# Altium PCB RFC_MB.PcbDoc (part 34 of 37)
Units mm, origin at the board's own origin, x right, y up, seen from the top; angles counter-clockwise.
Board outline 440 x 340 mm, 6 copper layers (TopLayer, PlaneGnd, PlanePwr, MidLayer3, MidLayer4, BottomLayer); 1264 components, 1336 nets, 5034 pads, 876 vias.
Unrouted connection lines stored in the file: 2433.
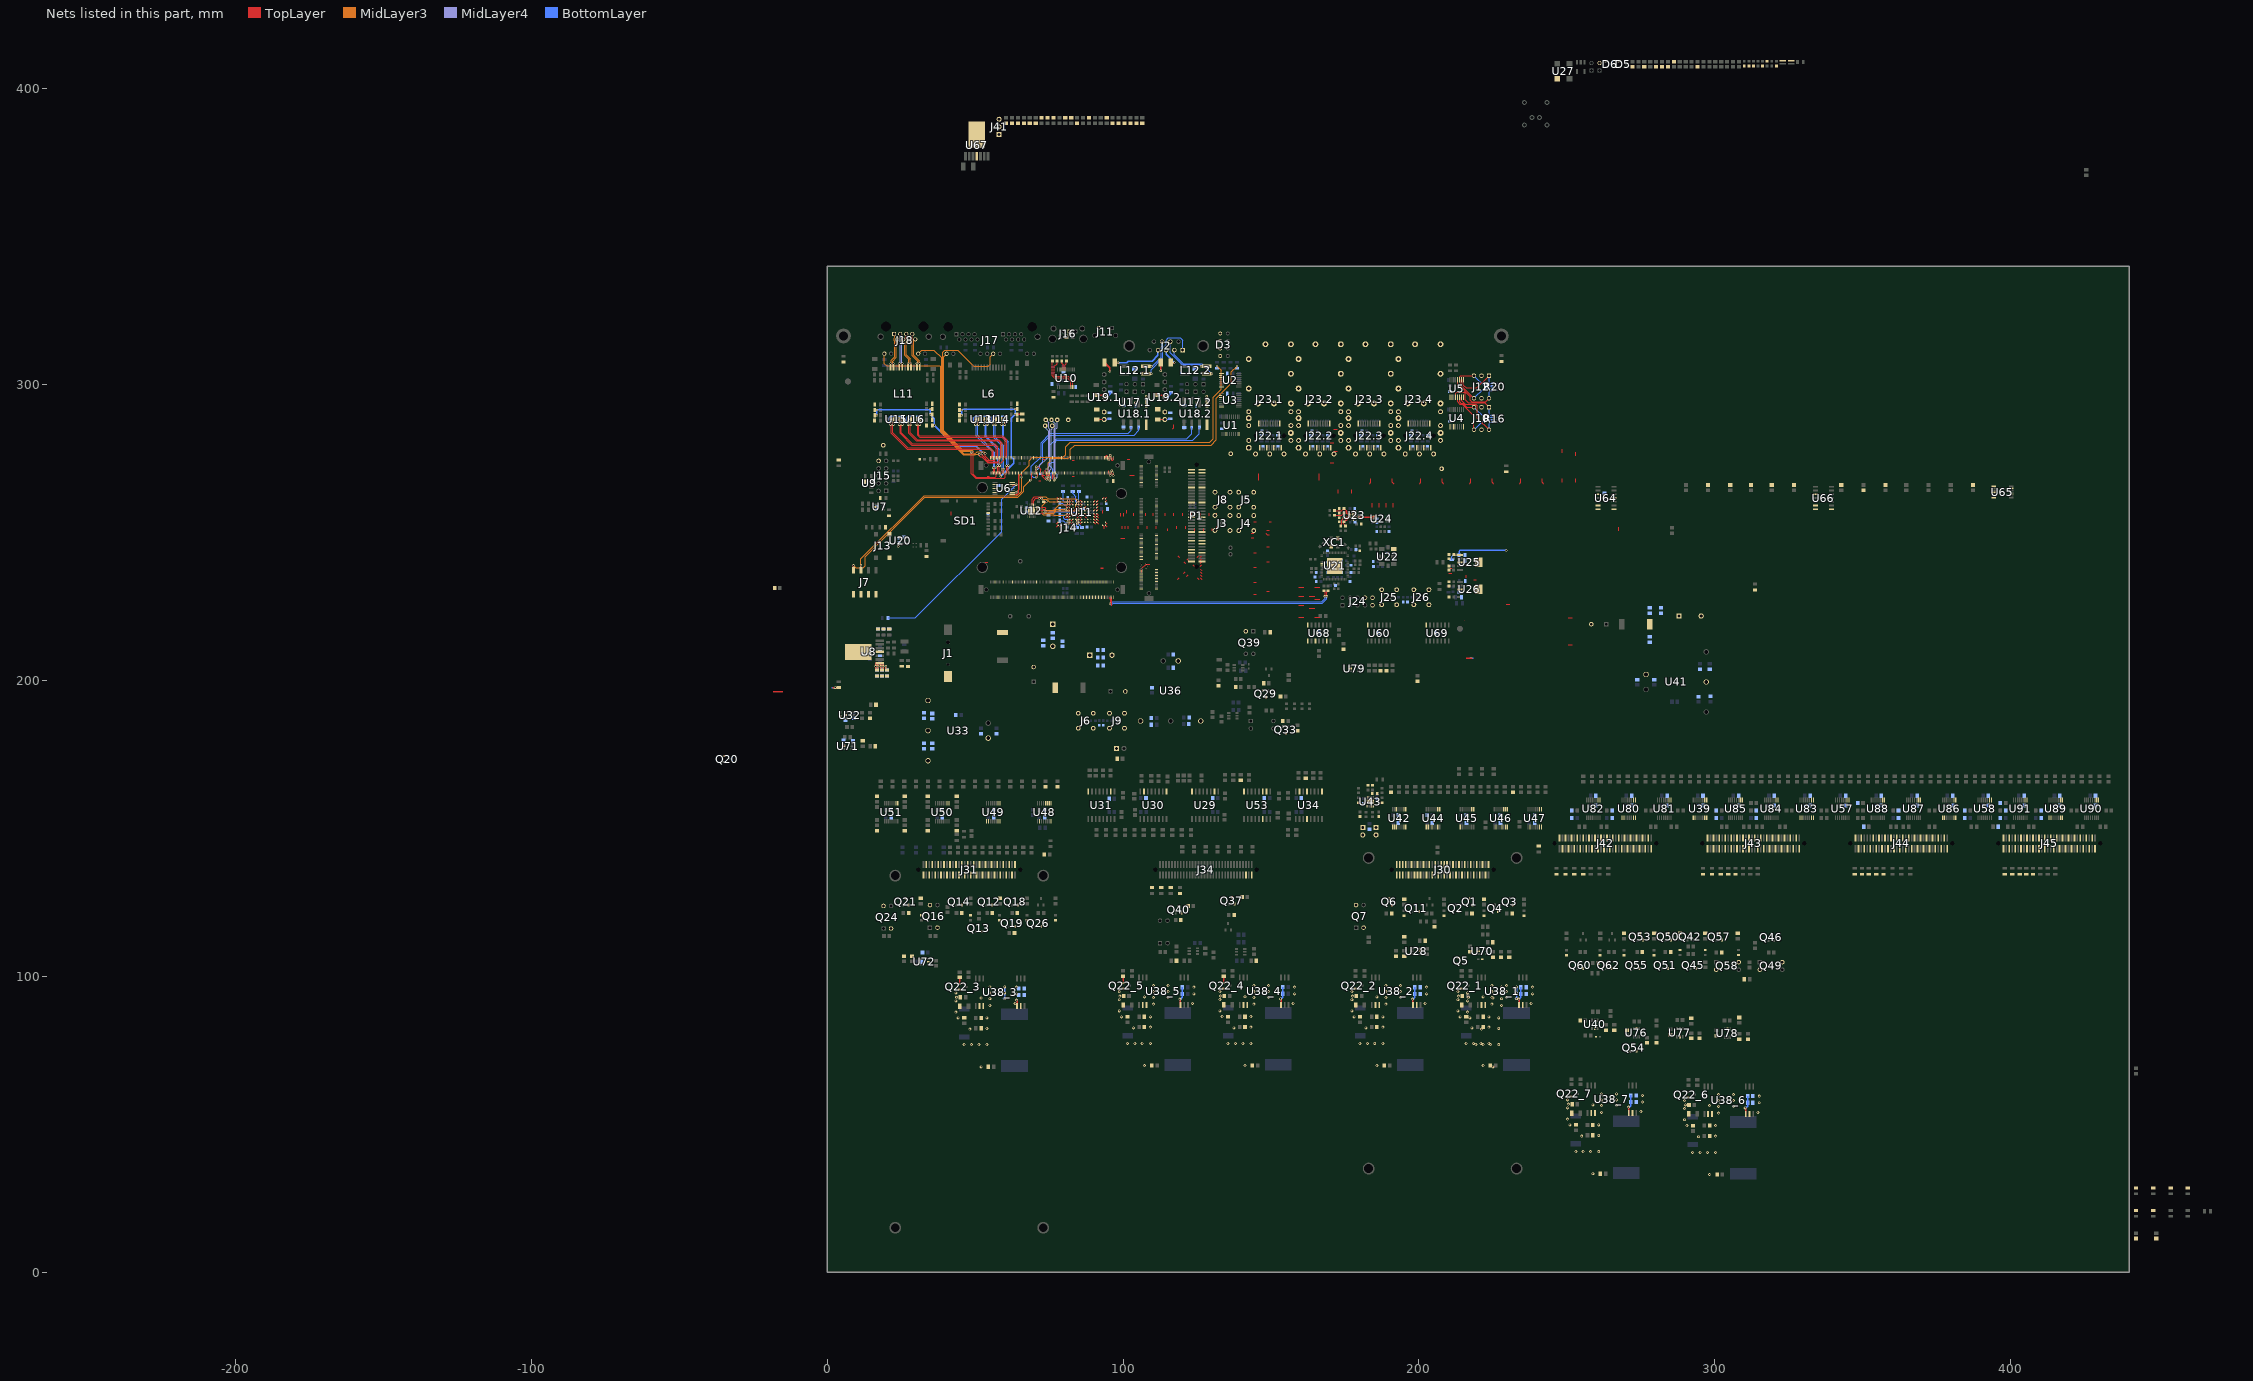
[diagram p38: the nets of this part, all layers, seen from the top]

## Via types
v1: diameter 0.8, hole 0.4, TopLayer to BottomLayer, 488 vias
v2: diameter 1, hole 0.5, TopLayer to BottomLayer, 251 vias
v3: diameter 0.5, hole 0.2, TopLayer to BottomLayer, tented both sides, 137 vias

## Nets (pads, with @x,y where several pads share a name; then routed paths per layer and width w, separated by ;. In a path a pad name is that pad's centre, name@x,y a point inside that pad or via, vN(x,y) a via of type N, cw(c..) or ccw(c..) an arc to the next point about the centre after c; other vN are vias at no path point) (continued)
+5VME: C17.1 C18.1 C22.2 C23.2 C24.2 C25.2 C69.1.2 C69.2.2 C70.1.2 C70.2.2 C117.2 C118.2 J14.A1 J14.A2 J14.A3 J14.A4 J14.A5 J14.A6 J14.A7 J14.A8 J14.A9 J14.A11 R104.2 U8.1 U19.1.1 U19.2.1 U25.1 | length 58
  TopLayer w0.2: J14.A9@94.675,275.25 94.675,276.05 ; J14.A8@95.175,270.05 95.175,270.85 ; v1(95.175,274.45) J14.A7@95.175,275.25 ; v1(95.675,269.25) J14.A6@95.675,270.05 ; J14.A5@95.675,275.25 v1(95.675,276.05) ; J14.A4@96.175,270.05 v1(96.175,270.85) ; 96.175,274.45 J14.A3@96.175,275.25 ; v1(96.675,269.25) J14.A2@96.675,270.05
  TopLayer w0.25: J14.A11@94.175,275.25 94.175,275.775 94.45,276.05 94.675,276.05 ; 96.175,274.45 96.525,274.45 96.675,274.6 J14.A1@96.675,275.25
  TopLayer w0.3: C70.1.2@91.15,288.175 93.584,288.175 U19.1.1@93.624,288.135 ; C70.2.2@111.675,288.2 114.034,288.2 U19.2.1@114.099,288.135 ; C118.2@211.725,242.525 212.507,242.525 v1(212.507,242.423) ; v1@212.522,242.408 v1(212.507,242.423) ; U25.1@213.875,242.423 v1(212.507,242.423)
  TopLayer w0.5: C17.1@16.41,203.485 v1(16.41,204.71) 16.41,205.585 U8.1@16.61,205.785 ; C17.1@17.16,203.485 v1(17.16,204.71) U8.1@17.16,205.585 ; C18.1@18.135,203.485 v1(18.135,204.71) U8.1@18.135,205.66 ; C18.1@18.885,203.485 v1(18.885,204.71) U8.1@18.885,205.685 ; C25.2@19.86,203.485 v1(19.86,204.71)
  BottomLayer w0.25: R104.2@211.05,240.725 211.05,241.825 211.648,242.423 v1(212.507,242.423)
  BottomLayer w0.3: U19.1.1@93.624,288.135 94.435,288.135 94.725,288.425 C69.1.2@95.45,288.425 ; U19.2.1@114.099,288.135 114.91,288.135 115.2,288.425 C69.2.2@115.925,288.425 ; v1@212.522,242.408 C117.2@213.525,242.408
  BottomLayer w0.5: v1(16.41,204.71) 16.41,203.885 C24.2@16.81,203.485 17.16,203.835 v1(17.16,204.71) ; v1(18.135,204.71) 18.135,203.885 C22.2@18.535,203.485 18.885,203.835 v1(18.885,204.71) ; v1(19.86,204.71) 19.86,203.885 C23.2@20.26,203.485 ; C117.2@213.525,242.408 213.525,243.6 213.825,243.9 v1(229.5,243.9)
+5VSTBY: C71.2 U20.4 | length 2.3
  TopLayer w0.25: v1(24,245.225) U20.4@24,246.125
  BottomLayer w0.25: v1(24,245.225) 24,245.6 24.3,245.9 C71.2@24.3,246.55
+7_: C209_6.2 C215_6.2 R229.2 U38_6.13
+7D: C209_1.2 C215_1.2 Q1.2 R147.2 R152.1 U38_1.13
+7DDS: L24.2 Q1.3 R146.2
+7H: C209_4.1 C215_4.1 R218.2 U38_4.12 | length 6.5
  TopLayer w0.5: v2(153.199,92.323) 153.369,92.153 U38_4.12@153.369,90.323
  BottomLayer w0.5: v2(153.199,92.323) 153.449,92.323 153.999,92.873 C209_4.1@153.999,94.069 C215_4.1@153.999,96.323
+7i: Q37.2 R219.2
+7int: L37.2 Q37.3 R217.2
+7SL: L71.2 L79.2 L88.2 L96.2 Q53.3 R251.2
+7V: Q53.2 R252.2
+12Hall: L28.2
+12SL: L69.2 L77.2 L86.2 L94.1 Q50.3 R244.2
+12V: C157.1 C159.2 C160.2 C164.2 C169.2 C170.2 C200.1 C218.2 C222.2 C226.2 C227.1 C438.2 L18.1 L32.1 L191.1 Q3.2 Q18.2 Q50.2 R162.2 R179.2 R245.2
+18H: C156.2 C166.2 C174.1 Q12.2 R167.2 R172.2 U33.3
+18Hall: L34.2 Q12.3 R166.2
+18i: C168.2 C182.2 C199.1 Q29.2 R198.2 R200.2 R201.2 U36.3
+18int: L39.2 Q29.3 R199.2
+18SL: L73.2 L82.2 L90.2 L98.2 Q46.3 R236.2
-7_: C209_7.1 C215_7.1 Q57.2 R247.1 R259.2 U38_7.12 | length 6.5
  TopLayer w0.5: v2(270.75,55.75) 270.92,55.58 U38_7.12@270.92,53.75
  BottomLayer w0.5: v2(270.75,55.75) 271,55.75 271.55,56.3 C209_7.1@271.55,57.496 C215_7.1@271.55,59.75
-7D: C209_2.1 C215_2.1 Q6.2 R149.1 R157.2 U38_2.12 | length 6.5
  TopLayer w0.5: v2(197.8,92.3) 197.97,92.13 U38_2.12@197.97,90.3
  BottomLayer w0.5: v2(197.8,92.3) 198.05,92.3 198.6,92.85 C209_2.1@198.6,94.046 C215_2.1@198.6,96.3
-7DDS: L23.2 Q6.3 R156.2
-7H: C209_3.1 C215_3.1 Q21.2 R186.2 R187.1 U38_3.12 | length 2.3
  TopLayer w0.5: v2(64,91.9) 64.17,91.73 U38_3.12@64.17,89.9
  BottomLayer w0.5: v2(64,91.9) v2@64.25,91.9
  other v2: 63.5,90.8 64,94.05 64,96.3
-7Hall: L30.2 Q21.3 R185.2
-7i: C209_5.1 C215_5.1 Q40.2 R224.2 R225.2 U38_5.12 | length 6.5
  TopLayer w0.5: v2(119.2,92.3) 119.37,92.13 U38_5.12@119.37,90.3
  BottomLayer w0.5: v2(119.2,92.3) 119.45,92.3 120,92.85 C209_5.1@120,94.046 C215_5.1@120,96.3
-7int: L35.2 Q40.3 R222.2
-7SL: L70.2 L78.2 L87.2 L95.2 Q57.3 R258.2
-18H: C171.1 C178.2 Q14.2 R170.2 R176.1 U33.5
-18Hall: L33.2
-18i: C191.1 C202.2 Q33.2 R210.2 R223.1 U36.5
-18int: L38.2 Q33.3 R208.2
-18SL: L72.2 L81.2 L89.2 L97.2 Q42.3 R228.2
\CS: R265.1 U42.14
\CSdds: J30.15 U44.4
\En: Q5.1 Q20.1 Q54.1 R221.1 U68.8 U68.13
AQ1_N: C89.1 R118.2 U23.9 | length 6.7
  TopLayer w0.15: C89.1@171.425,257.375 171.425,257.325 173.925,257.325 R118.2@174.65,258.05 174.725,257.975 174.725,257.95 175.2,257.475 175.485,257.475 175.825,257.135 175.825,256.563 176,256.388 176.087,256.388 176.175,256.475 U23.9@176.7,256.475
AQ1_P: C88.1 R117.2 U23.10 | length 6.7
  TopLayer w0.15: C88.1@171.425,255.825 171.425,255.875 173.925,255.875 R117.2@174.65,256.6 175.2,257.15 175.35,257.15 175.5,257 175.5,256.428 175.865,256.062 176.087,256.062 176.175,255.975 U23.10@176.7,255.975
BaseAddr0: J10.1 R16.4 U5.4 | length 19.6
  TopLayer w0.15: U5.4@212.4,295.705 212.4,297.05 212.65,297.3 215.25,297.3 215.6,296.95 215.6,294.85 216.622,293.828 222.157,293.828 J10.1@223.665,292.32
  BottomLayer w0.25: J10.1@223.665,292.32 223.665,292.295 223.665,289.91 223.9,289.675 R16.4@224.725,289.675
BaseAddr1: J10.2 R16.2 U5.5 | length 21.4
  TopLayer w0.15: U5.5@213.05,295.705 213.05,294.1 213.775,293.375 214.672,293.375 218.585,289.462 J10.2@218.585,284.7
  BottomLayer w0.25: J10.2@218.585,284.7 218.598,284.687 221.985,288.075 R16.2@224.725,288.075
BaseAddr2: J10.4 R16.3 U5.6 | length 14.8
  TopLayer w0.15: U5.6@213.7,295.705 213.7,294.125 214.1,293.725 214.775,293.725 216.18,292.32 J10.4@218.585,292.32
  BottomLayer w0.25: J10.4@218.585,292.32 218.585,292.295 222.005,288.875 R16.3@224.725,288.875
BaseAddr3: J10.8 R16.1 U5.7 | length 20.4
  TopLayer w0.15: U5.7@214.35,295.705 214.35,294.625 215.65,293.325 219.125,293.325 219.725,292.725 219.725,288.64 J10.8@223.665,284.7
  BottomLayer w0.25: J10.8@223.665,284.7 223.665,284.675 223.665,286.94 224,287.275 R16.1@224.725,287.275
BaseAddr4: J12.1 R20.4 U5.9 | length 16.1
  TopLayer w0.15: U5.9@215,301.545 215,299.775 215.925,298.85 219.545,298.85 J12.1@223.665,302.97
  BottomLayer w0.25: J12.1@223.665,302.97 223.665,300.585 223.9,300.35 R20.4@224.725,300.35
BaseAddr5: J12.2 R20.2 U5.10 | length 15.5
  TopLayer w0.15: U5.10@214.35,301.545 214.35,299.585 J12.2@218.585,295.35
  BottomLayer w0.25: J12.2@218.585,295.35 221.985,298.75 R20.2@224.725,298.75
BaseAddr6: J12.4 R20.3 U5.11 | length 13.6
  TopLayer w0.15: U5.11@213.7,301.545 213.7,302.6 214.07,302.97 J12.4@218.585,302.97
  BottomLayer w0.25: J12.4@218.585,302.97 222.005,299.55 R20.3@224.725,299.55
BaseAddr7: J12.8 R20.1 U5.12 | length 19.1
  TopLayer w0.15: U5.12@213.05,301.545 213.05,300.2 217.4,295.85 217.4,294.625 217.825,294.2 222.515,294.2 J12.8@223.665,295.35
  BottomLayer w0.25: J12.8@223.665,295.35 223.665,297.615 224,297.95 R20.1@224.725,297.95
BOOT_MODE0: J7.7 J14.A126 | length 73.7
  TopLayer w0.15: v1(65.675,268.675) J14.A126@65.675,270.05
  TopLayer w0.25: J7.7@11.41,237.275 v1(11.41,238.845)
  MidLayer3 w0.15: v1(11.41,238.845) 11.41,241.064 32.771,262.425 57.855,262.425 57.885,262.395 64.145,262.395 65.675,263.925 v1(65.675,268.675)
BOOT_MODE1: J7.8 J14.A112 | length 79.3
  TopLayer w0.15: v1(68.675,267.675) 69.175,268.175 J14.A112@69.175,270.05
  TopLayer w0.25: J7.8@8.87,237.275 v1(8.87,238.845)
  MidLayer3 w0.15: v1(8.87,238.845) 9.715,238 12.125,238 12.825,238.7 12.825,241.807 32.968,261.95 64.45,261.95 66.45,263.95 66.45,265.45 v1(68.675,267.675)
BUSY: R332.1 U48.12
BUSY_i2Host: R421.2 U34.13
BUSYi: J34.6 U34.4
C_REF_N: J30.2 U43.10
C_REF_P: J30.6 U43.11
C_TEST_N: C147.2 J33.1
C_TEST_P: C146.2 J32.1
CAN0_G: J2.3 L13.2.1 | length 6.3
  TopLayer w0.3: L13.2.1@116.125,307.4 v1(117.325,307.4)
  BottomLayer w0.5: J2.3@114.565,311.32 114.565,310.16 v1(117.325,307.4)
CAN0_H: J2.7 L12.2.1 | length 17.6
  TopLayer w0.5: v1(126.375,306.125) 128.175,306.125 L12.2.1@128.2,306.125
  BottomLayer w0.3: J2.7@115.95,314.16 115.95,310.693 120.068,306.575 125.925,306.575 v1(126.375,306.125)
CAN0_L: J2.2 L12.2.4 | length 18.4
  TopLayer w0.5: L12.2.4@128.2,303.625 v1(130,303.625)
  BottomLayer w0.3: J2.2@117.335,311.32 117.335,310.015 120.275,307.075 126.55,307.075 v1(130,303.625)
CAN0_RX: J14.A88 R95.2.2 | length 64.2
  TopLayer w0.15: v1(75.175,268.675) J14.A88@75.175,270.05
  BottomLayer w0.25: v1(75.175,268.675) 75.175,269.975 74.85,270.3 74.85,273.625 75.45,274.225 75.45,279.612 77.513,281.675 121.525,281.675 123.175,283.325 R95.2.2@123.175,285.55
CAN0_TX: J14.A90 R97.2.2 | length 69.5
  TopLayer w0.15: J14.A90@74.675,270.05 74.675,268.175 v1(75.175,267.675)
  BottomLayer w0.25: v1(75.175,267.675) 75.775,268.275 75.775,269.975 76.3,270.5 76.3,271.425 75.375,272.35 75.375,273.175 75.925,273.725 76.6,273.725 76.925,274.05 76.925,280.375 77.625,281.075 123.525,281.075 125.775,283.325 R97.2.2@125.775,285.6
CAN1_G: J2.4 L13.1.1 | length 17.1
  TopLayer w0.3: L13.1.1@97.175,307.35 v1(98.325,307.35)
  BottomLayer w0.5: v1(98.325,307.35) 101.275,307.35 101.825,307.9 109.775,307.9 111.795,309.92 J2.4@111.795,311.32
CAN1_H: J2.8 L12.1.1 | length 11.8
  TopLayer w0.5: L12.1.1@107.725,306.125 v1(109.525,306.125)
  BottomLayer w0.3: v1(109.525,306.125) 109.9,306.125 112.95,309.175 112.95,312.725 113.18,312.955 J2.8@113.18,314.44
CAN1_L: J2.1 L12.1.4 | length 24.8
  TopLayer w0.5: L12.1.4@107.725,303.625 v1(109.525,303.625)
  BottomLayer w0.3: v1(109.525,303.625) 109.525,305.043 113.45,308.968 113.45,312.325 114.525,313.4 114.525,314.925 115.325,315.725 119.375,315.725 120.105,314.995 J2.1@120.105,311.6
CAN1_RX: J14.A104 R95.1.2 | length 49.1
  TopLayer w0.15: v1(70.675,268.675) 71.175,269.175 J14.A104@71.175,270.05
  BottomLayer w0.25: v1(70.675,268.675) 69.65,268.675 69,269.325 69,272.275 72.325,275.6 72.325,280.367 75.383,283.425 101.675,283.425 102.7,284.45 R95.1.2@102.7,285.55
CAN1_TX: J14.A106 R97.1.2 | length 46.7
  TopLayer w0.15: J14.A106@70.675,270.05 v1(70.675,271.4)
  BottomLayer w0.25: v1(70.675,271.4) 71.2,271.4 71.775,271.975 71.775,272.825 72.9,273.95 72.9,280.2 75.6,282.9 103.7,282.9 105.3,284.5 R97.1.2@105.3,285.6
CAN_GND_1: C64.1.1 C65.1.1 C67.1.1 C68.1.1 L13.1.2 U17.1.3 U18.1.5 U19.1.4 | length 15.3
  TopLayer w0.3: U18.1.5@107.825,293.95 U18.1.5@107.825,293.975 107.825,295.975 v1(107.825,296.025)
  TopLayer w0.5: C68.1.1@90.95,296.425 92.954,296.425 U19.1.4@93.624,295.755 ; L13.1.2@93.775,307.35 95.55,305.575 v1(95.55,304.375)
  BottomLayer w0.3: v1(98.9,293) C67.1.1@100.2,293 ; v1(103.95,304.25) C64.1.1@103.95,305.325 ; U17.1.3@104.15,292.725 v1(104.15,293.85)
  BottomLayer w0.5: U19.1.4@93.624,295.755 94.555,295.755 95.65,296.85 C65.1.1@95.65,297.4
CAN_GND_2: C64.2.1 C65.2.1 C67.2.1 C68.2.1 L13.2.2 U17.2.3 U18.2.5 U19.2.4 | length 14.5
  TopLayer w0.3: U18.2.5@128.3,293.95 U18.2.5@128.3,293.975 128.3,295.975 v1(128.3,296.025)
  TopLayer w0.5: C68.2.1@111.45,296.45 111.425,296.425 111.45,296.425 113.429,296.425 U19.2.4@114.099,295.755 ; v1(112.725,304.6) L13.2.2@112.725,307.4
  BottomLayer w0.3: v1(119.375,293) C67.2.1@120.675,293 ; v1(124.425,304.25) C64.2.1@124.425,305.325 ; U17.2.3@124.625,292.725 v1(124.625,293.85)
  BottomLayer w0.5: U19.2.4@114.099,295.755 115.03,295.755 116.125,296.85 116.125,297.4 C65.2.1@116.2,297.375
ChasisGND: R26.2 | length 3.4
  TopLayer w0.5: 1.8,197.55 v1(2.725,197.55) R26.2@3.925,197.55
  BottomLayer w0.5: 1.475,197.55 v1(2.725,197.55)
ChasisGND_T: R27.2 | length 3.4
  TopLayer w0.5: 215.925,207.55 218.05,207.55
  BottomLayer w0.5: 217.1,207.55 218.35,207.55
CLK_MODE: R299.1 U46.11
CLK_MODE_dds: J30.3 U42.3
Clock_dDCP+: U64.8
Clock_dDCP-: U64.11
Clock_hDCP-: Q22_3.1 R233_3.2 U66.3 | length 2.3
  TopLayer w0.5: Q22_3.1@44.7,97.35 44.8,97.45 R233_3.2@44.8,99.604
Clock_iDCP+: Q22_4.1 R233_4.2 U64.3 | length 2.3
  TopLayer w0.5: Q22_4.1@133.899,97.773 133.999,97.873 R233_4.2@133.999,100.027
Clock_iDCP-: Q22_5.1 R233_5.2 U64.6 | length 2.3
  TopLayer w0.5: Q22_5.1@99.9,97.75 100,97.85 R233_5.2@100,100.004
Clock_sDCP+: U66.6
Clock_sDCP-: U66.8
CMP_CLK_N: U23.2 U24.5 | length 5.6
  TopLayer w0.15: U23.2@179.6,255.475 180.125,255.475 180.237,255.363 184.113,255.363 184.275,255.525 U24.5@185.1,255.525
CMP_CLK_P: U23.1 U24.6 | length 5.6
  TopLayer w0.15: U23.1@179.6,254.975 180.125,254.975 180.188,255.038 184.113,255.038 184.275,254.875 U24.6@185.1,254.875
CNV: R331.1 U48.11
CNV_Host2i: R422.2 U53.3
CNVi: J34.2 U53.14
COM_CTS_DEV_O: R59.1 U10.8 | length 13.9
  TopLayer w0.25: R59.1@76.11,307.903 76.11,302.91 76.76,302.26 81.135,302.26 82.335,301.06 U10.8@82.335,299.16
COM_RTS_DEV_I: R58.1 U10.9 | length 14.3
  TopLayer w0.25: R58.1@77.685,307.903 77.685,307.06 76.73,306.105 76.73,302.993 76.993,302.73 81.393,302.73 82.985,301.138 U10.9@82.985,299.16
COM_RX_DEV_O: R54.1 U10.17 | length 3
  TopLayer w0.25: R54.1@79.26,307.903 79.26,307.11 79.735,306.635 U10.17@79.735,305.06
COM_TX_DEV_I: R52.1 U10.16 | length 3
  TopLayer w0.25: U10.16@80.385,305.06 80.385,306.61 80.835,307.06 R52.1@80.835,307.903
DCP_Clk: R148.2 R255.2 R387.2 R388.2 R389.2 R390.2 R391.2 U68.10
DDS_CLK_N: C145.1 R174.1 U21.23
DDS_CLK_P: C144.1 R174.2 U21.24
EMMC_CLK: R72.2 U11.P6 | length 14.4
  TopLayer w0.15: R72.2@73.05,260.375 v1(74.1,260.375) ; v1(80.55,255.875) U11.P6@81.05,256.375
  MidLayer3 w0.15: v1(74.1,260.375) 72.725,259 72.725,256.25 72.995,255.98 76.395,255.98 76.5,255.875 v1(80.55,255.875)
EMMC_CMD: R60.2 U11.P5 U12.12 | length 13.8
  TopLayer w0.15: U12.12@71.025,258.55 73.525,258.55 73.9,258.175 v1(73.9,257.05) ; v1(80.55,257.875) U11.P5@81.05,257.375
  MidLayer3 w0.15: v1(73.9,257.05) 76.575,257.05 77.4,257.875 v1(80.55,257.875)
  BottomLayer w0.15: R60.2@78.6,257.925 80.5,257.925 v1(80.55,257.875)
EMMC_D0: R61.2 U11.K2 U12.14 | length 21.1
  TopLayer w0.15: U12.14@69.775,259.3 69.775,260.725 70.525,261.475 v1(71.675,261.475) ; v1(84.55,260.875) U11.K2@85.05,260.375
  MidLayer3 w0.15: v1(71.675,261.475) 72.325,262.125 73.925,262.125 74.675,261.375 84.05,261.375 v1(84.55,260.875)
  BottomLayer w0.15: v1(84.55,260.875) 85.05,261.375 R61.2@85.05,263.775
EMMC_D1: R62.2 U11.N2 U12.15 | length 21.3
  TopLayer w0.15: U12.15@69.275,259.3 69.275,261.225 70.05,262 72.025,262 v1(72.5,261.525) ; v1(81.55,260.875) U11.N2@82.05,260.375
  MidLayer3 w0.15: v1(72.5,261.525) 72.9,261.125 74.275,261.125 75.025,260.375 81.05,260.375 v1(81.55,260.875)
  BottomLayer w0.15: R62.2@79.75,263.775 79.75,260.7 80.075,260.375 81.05,260.375 v1(81.55,260.875)
EMMC_D2: R63.2 U11.K3 U12.8 | length 21.2
  TopLayer w0.15: U12.8@71.025,256.55 v1(73.275,256.55) ; v1(84.55,259.875) U11.K3@85.05,259.375
  MidLayer3 w0.15: v1(73.275,256.55) 76.625,256.55 77.45,257.375 83.875,257.375 84.062,257.562 84.062,257.662 84.055,257.67 84.055,259.38 v1(84.55,259.875)
  BottomLayer w0.15: R63.2@83,263.775 83,263.175 84.045,262.13 84.045,260.38 v1(84.55,259.875)
EMMC_D3: R64.2 U11.N3 U12.10 | length 15.6
  TopLayer w0.15: U12.10@71.025,257.55 v1(73.275,257.55) ; v1(81.55,259.875) U11.N3@82.05,259.375
  MidLayer3 w0.15: v1(73.275,257.55) 76.55,257.55 78.375,259.375 81.05,259.375 v1(81.55,259.875)
  BottomLayer w0.15: R64.2@78.6,259.925 79.4,259.925 79.945,259.38 81.055,259.38 v1(81.55,259.875)
EMMC_D4: R65.2 U11.K8 | length 3.6
  TopLayer w0.15: v1(84.55,253.875) U11.K8@85.05,254.375
  BottomLayer w0.15: v1(84.55,253.875) 85.05,253.375 85.05,252.675 86.05,251.675 R65.2@86.125,251.675
EMMC_D5: R66.2 U11.N8 | length 5
  TopLayer w0.15: v1(81.55,253.875) U11.N8@82.05,254.375
  BottomLayer w0.15: R66.2@78.6,255.925 79.6,255.925 79.9,255.625 79.9,254.825 80.345,254.38 81.045,254.38 v1(81.55,253.875)
EMMC_D6: R67.2 U11.N9 | length 4.1
  TopLayer w0.15: v1(81.55,252.875) U11.N9@82.05,253.375
  BottomLayer w0.15: R67.2@78.6,253.925 79.775,253.925 80.325,253.375 81.05,253.375 v1(81.55,252.875)
EMMC_D7: R68.2 U11.K9 | length 2
  TopLayer w0.15: v1(84.55,252.875) U11.K9@85.05,253.375
  BottomLayer w0.15: R68.2@84.325,251.675 84.325,252.65 v1(84.55,252.875)
EMMC_DS: R69.2 U11.K5 | length 11.9
  TopLayer w0.15: v1(84.55,257.875) U11.K5@85.05,257.375
  BottomLayer w0.15: R69.2@74.75,255.875 74.75,256.475 75.225,256.95 83.925,256.95 84.55,257.575 v1(84.55,257.875)
EMMC_RFU1: U11.A1 | length 0.7
  TopLayer w0.15: U11.A1@94.05,261.375 94.55,261.875
EMMC_RFU2: U11.A2 | length 0.7
  TopLayer w0.15: U11.A2@94.05,260.375 94.55,260.875
EMMC_RFU3: U11.A9 | length 0.7
  TopLayer w0.15: U11.A9@94.05,253.375 94.55,252.875
EMMC_RFU4: U11.A10 | length 0.7
  TopLayer w0.15: U11.A10@94.05,252.375 94.55,251.875
EMMC_RFU5: U11.B1 | length 0.7
  TopLayer w0.15: U11.B1@93.05,261.375 93.55,261.875
EMMC_RFU6: U11.B10 | length 0.7
  TopLayer w0.15: U11.B10@93.05,252.375 93.55,251.875
EMMC_RFU7: U11.T1 | length 0.7
  TopLayer w0.15: 78.55,261.875 U11.T1@79.05,261.375
EMMC_RFU8: U11.T10 | length 0.7
  TopLayer w0.15: 78.55,251.875 U11.T10@79.05,252.375
EMMC_RFU9: U11.U1 | length 0.7
  TopLayer w0.15: 77.55,261.875 U11.U1@78.05,261.375
EMMC_RFU10: U11.U2 | length 0.7
  TopLayer w0.15: 77.55,260.875 U11.U2@78.05,260.375
EMMC_RFU11: U11.U9 | length 0.7
  TopLayer w0.15: 77.55,252.875 U11.U9@78.05,253.375
EMMC_RFU12: U11.U10 | length 0.7
  TopLayer w0.15: 77.55,251.875 U11.U10@78.05,252.375
EMMC_RFU13: U11.D2 | length 0.7
  TopLayer w0.15: U11.D2@91.05,260.375 91.55,260.875
EMMC_RFU14: U11.D3 | length 0.7
  TopLayer w0.15: U11.D3@91.05,259.375 91.55,259.875
EMMC_RFU15: U11.D4 | length 0.7
  TopLayer w0.15: U11.D4@91.05,258.375 91.55,258.875
EMMC_RFU16: U11.D5 | length 0.7
  TopLayer w0.15: U11.D5@91.05,257.375 91.55,257.875
EMMC_RFU17: U11.D6 | length 0.7
  TopLayer w0.15: U11.D6@91.05,256.375 91.55,255.875
EMMC_RFU18: U11.D7 | length 0.7
  TopLayer w0.15: U11.D7@91.05,255.375 91.55,254.875
EMMC_RFU19: U11.D8 | length 0.7
  TopLayer w0.15: U11.D8@91.05,254.375 91.55,253.875
EMMC_RFU20: U11.D9 | length 0.7
  TopLayer w0.15: U11.D9@91.05,253.375 91.55,252.875
EMMC_RFU21: U11.E2 | length 0.7
  TopLayer w0.15: U11.E2@90.05,260.375 90.55,260.875
EMMC_RFU22: U11.E3 | length 0.7
  TopLayer w0.15: U11.E3@90.05,259.375 90.55,259.875
EMMC_RFU23: U11.E5 | length 0.7
  TopLayer w0.15: U11.E5@90.05,257.375 90.55,257.875
EMMC_RFU24: U11.E6 | length 0.7
  TopLayer w0.15: U11.E6@90.05,256.375 90.55,255.875
EMMC_RFU25: U11.E7 | length 0.7
  TopLayer w0.15: U11.E7@90.05,255.375 90.55,254.875
EMMC_RFU26: U11.E8 | length 0.7
  TopLayer w0.15: U11.E8@90.05,254.375 90.55,253.875
EMMC_RFU27: U11.E9 | length 0.7
  TopLayer w0.15: U11.E9@90.05,253.375 90.55,252.875
EMMC_RFU28: U11.H5 | length 0.7
  TopLayer w0.15: U11.H5@87.05,257.375 87.55,257.875
EMMC_RFU29: U11.H6 | length 0.7
  TopLayer w0.15: U11.H6@87.05,256.375 87.55,255.875
EMMC_RFU30: U11.H7 | length 0.7
  TopLayer w0.15: U11.H7@87.05,255.375 87.55,254.875
EMMC_RFU31: U11.J2 | length 0.7
  TopLayer w0.15: 85.55,260.875 U11.J2@86.05,260.375
EMMC_RFU32: U11.J3 | length 0.7
  TopLayer w0.15: 85.55,259.875 U11.J3@86.05,259.375
EMMC_RFU33: U11.J4 | length 0.7
  TopLayer w0.15: 85.55,258.875 U11.J4@86.05,258.375
EMMC_RFU34: U11.J6 | length 0.7
  TopLayer w0.15: 85.55,255.875 U11.J6@86.05,256.375
EMMC_RFU35: U11.J7 | length 0.7
  TopLayer w0.15: 85.55,254.875 U11.J7@86.05,255.375
EMMC_RFU36: U11.J8 | length 0.7
  TopLayer w0.15: 85.55,253.875 U11.J8@86.05,254.375
EMMC_RFU37: U11.J9 | length 0.7
  TopLayer w0.15: 85.55,252.875 U11.J9@86.05,253.375
EMMC_RFU38: U11.K4 | length 0.7
  TopLayer w0.15: 84.55,258.875 U11.K4@85.05,258.375
EMMC_RFU39: U11.K6 | length 0.7
  TopLayer w0.15: 84.55,255.875 U11.K6@85.05,256.375
EMMC_RFU40: U11.K7 | length 0.7
  TopLayer w0.15: 84.55,254.875 U11.K7@85.05,255.375
EMMC_RFU41: U11.L5 | length 0.7
  TopLayer w0.15: 83.55,257.875 U11.L5@84.05,257.375
EMMC_RFU42: U11.L6 | length 0.7
  TopLayer w0.15: 83.55,255.875 U11.L6@84.05,256.375
EMMC_RFU43: U11.M2 | length 0.7
  TopLayer w0.15: 82.55,260.875 U11.M2@83.05,260.375
EMMC_RFU44: U11.M3 | length 0.7
  TopLayer w0.15: 82.55,259.875 U11.M3@83.05,259.375
EMMC_RFU45: U11.M6 | length 0.7
  TopLayer w0.15: 82.55,255.875 U11.M6@83.05,256.375
EMMC_RFU46: U11.M8 | length 0.7
  TopLayer w0.15: 82.55,253.875 U11.M8@83.05,254.375
EMMC_RFU47: U11.M9 | length 0.7
  TopLayer w0.15: 82.55,252.875 U11.M9@83.05,253.375
EMMC_RFU48: U11.N4 | length 0.7
  TopLayer w0.15: 81.55,258.875 U11.N4@82.05,258.375
EMMC_RFU49: U11.N5 | length 0.7
  TopLayer w0.15: 81.55,257.875 U11.N5@82.05,257.375
EMMC_RFU50: U11.N6 | length 0.7
  TopLayer w0.15: 81.55,255.875 U11.N6@82.05,256.375
EMMC_RFU51: U11.N7 | length 0.7
  TopLayer w0.15: 81.55,254.875 U11.N7@82.05,255.375
EMMC_RFU52: U11.P4 | length 0.7
  TopLayer w0.15: 80.55,258.875 U11.P4@81.05,258.375
EMMC_RFU53: U11.P7 | length 0.7
  TopLayer w0.15: 80.55,254.875 U11.P7@81.05,255.375
EMMC_RFU54: U11.H4 | length 0.7
  TopLayer w0.15: U11.H4@87.05,258.375 87.55,258.875
EN_3V3: J41.1 R34.2 U6.6 | length 69.6
  TopLayer w0.15: U6.6@62.56,266.14 v1(63.84,266.14)
  BottomLayer w0.25: R34.2@20.6,221.125 29.775,221.125 58.95,250.3 58.95,261.25 v1(63.84,266.14)